# Altium PCB DC-DC_15V_24V.PcbDoc
Units mm, origin at the board's own origin, x right, y up, seen from the top; angles counter-clockwise.
Board outline 210 x 80 mm, 2 copper layers (Top Layer, Bottom Layer), stack 2.071 mm thick; 176 components, 72 nets, 404 pads, 116 vias.
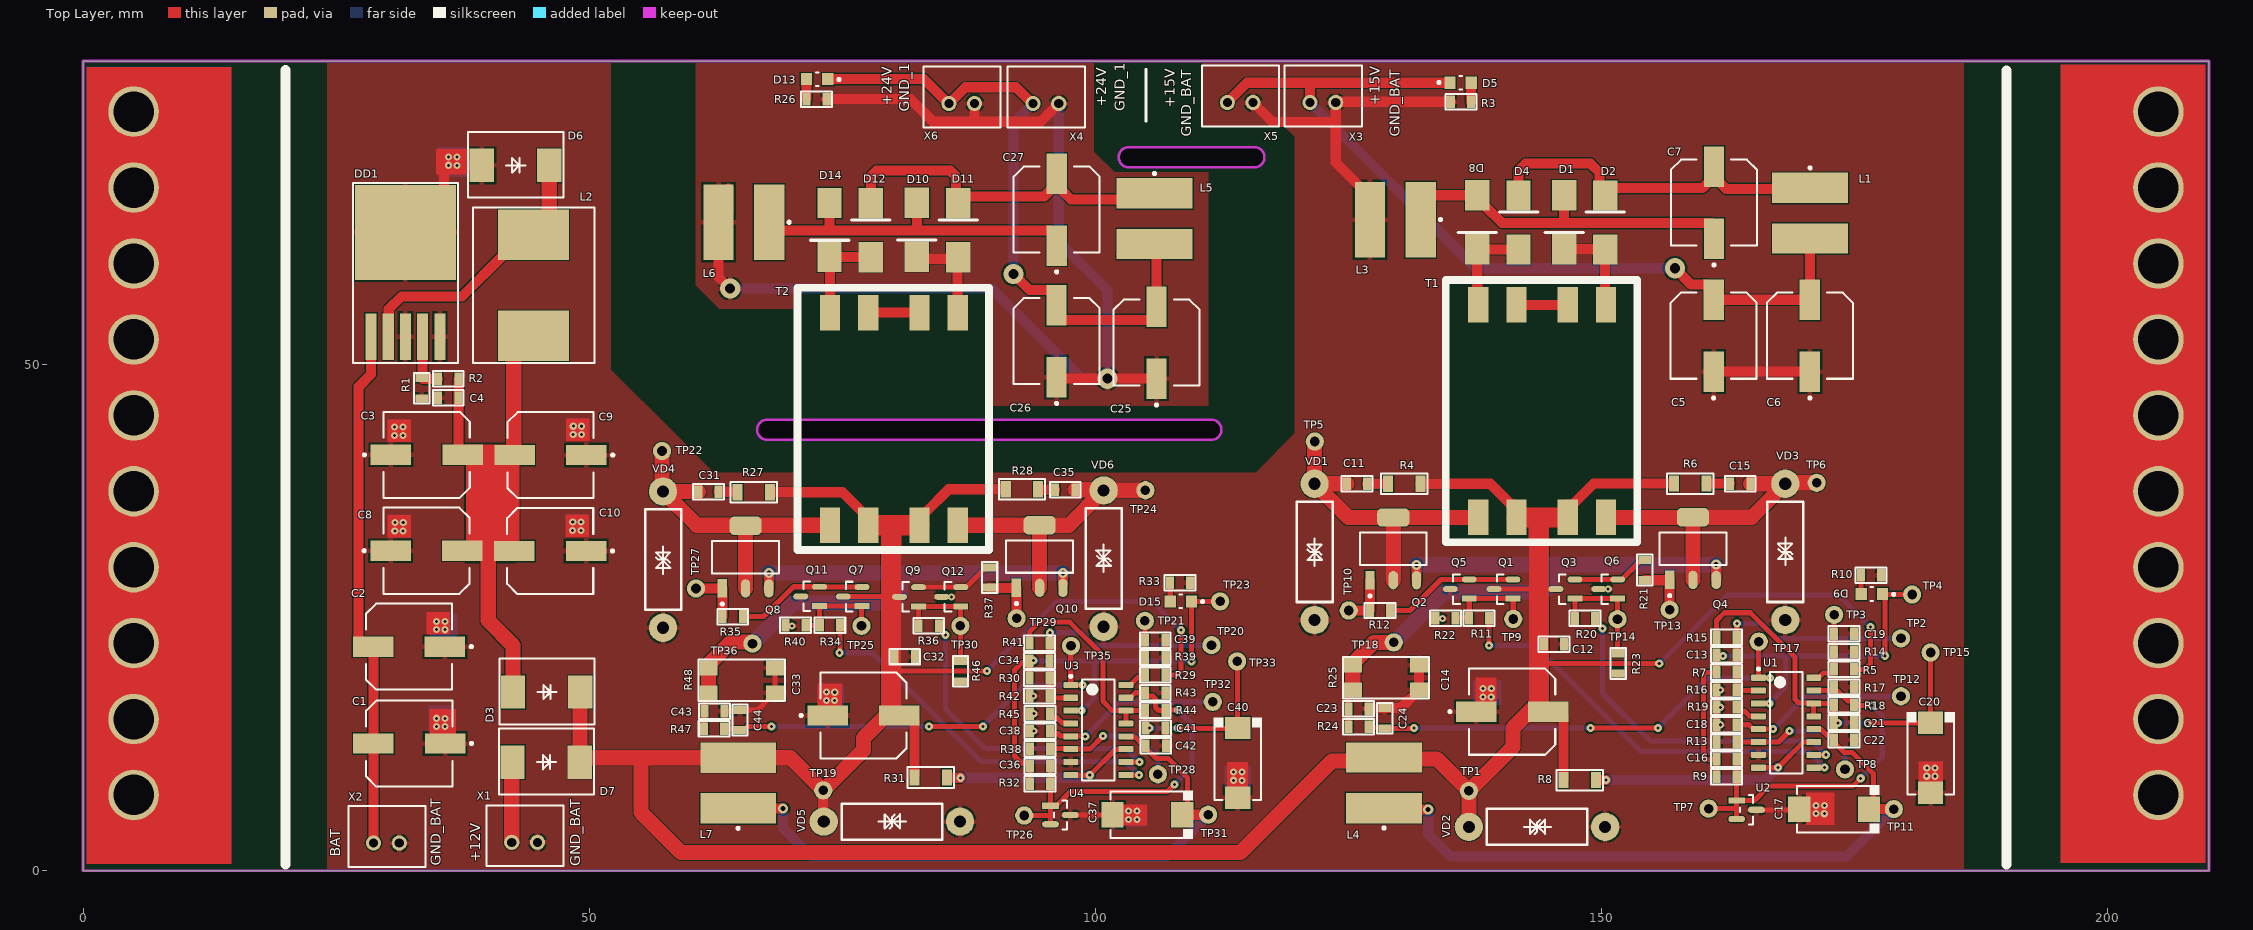
[diagram p0: Top Layer view]
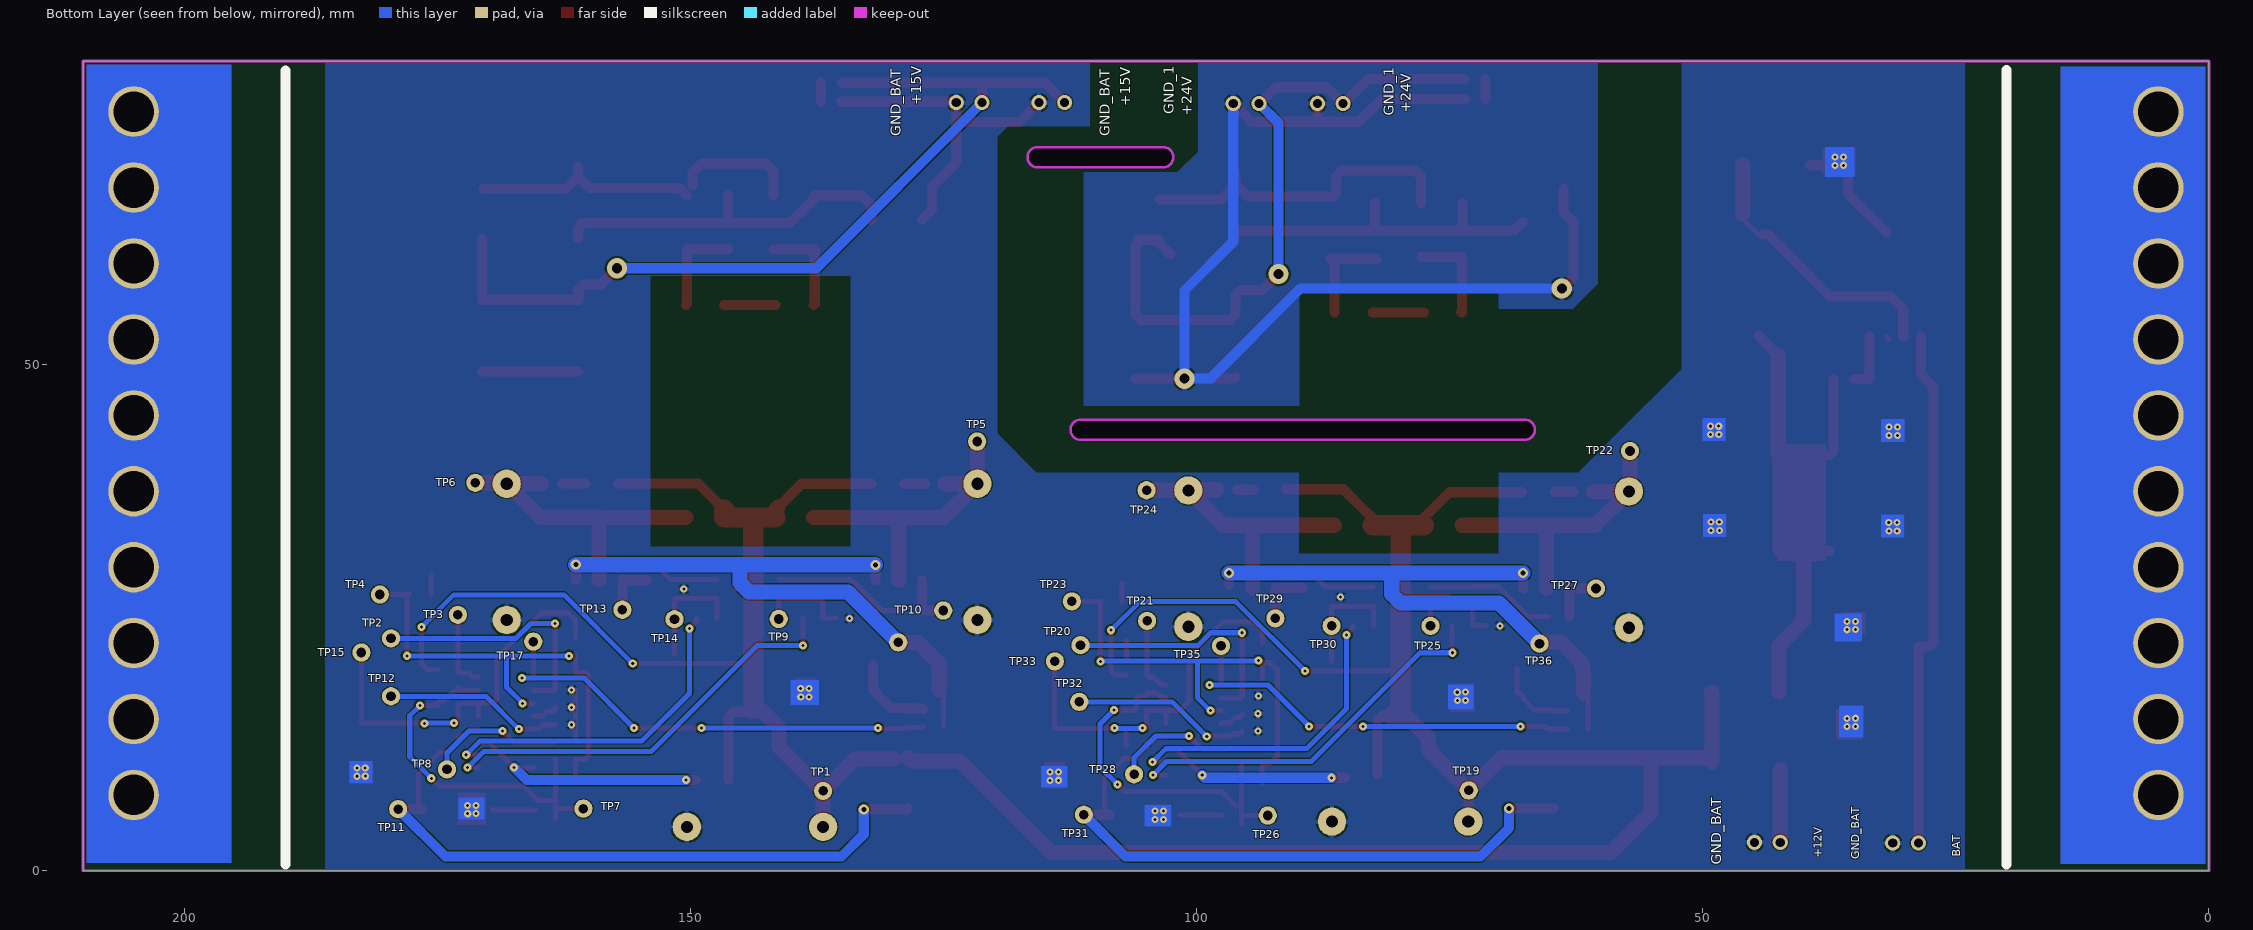
[diagram p1: Bottom Layer view, seen from below]
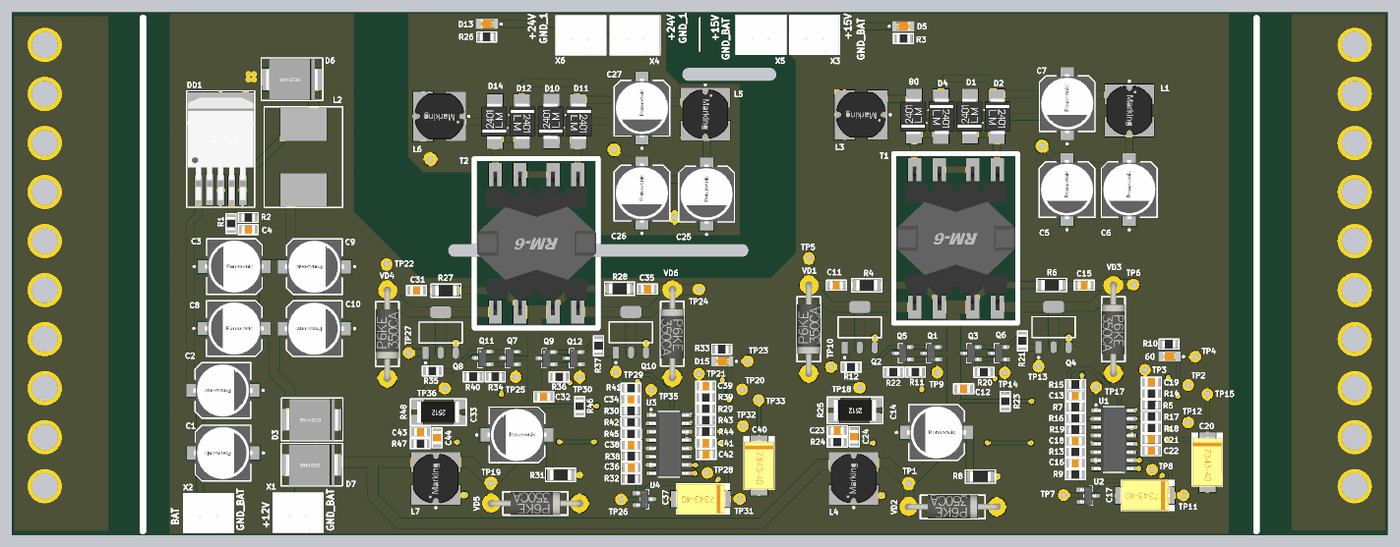
[diagram p2: 3D render of the assembled board from above, using the file's embedded part models]

## Layer stack, top to bottom
Top Solder: solder mask 0.0102, Solder Resist, Dk 3.5
Top Layer: signal copper 0.0356
Dielectric 1: dielectric 2, FR-4, Dk 4.8
Bottom Layer: signal copper 0.0356
Bottom Solder: solder mask 0.0102, Solder Resist, Dk 3.5

## Board outline
0,0 0,80 210,80 210,0
cut-out: 67.588,42.575 111.45,42.575 ccw(c111.45,43.575) 111.45,44.575 67.588,44.575 ccw(c67.588,43.575)
cut-out: 103.305,69.5 cw(c103.305,70.5) 103.305,71.5 115.7,71.5 cw(c115.7,70.5) 115.7,69.5

## Design rules (kind name [scope] priority, off if disabled: settings)
Clearance [All] p1: gap=0.2 ignorepadtopadclearanceinfootprint=TRUE except(0: Region-Hole Text-Hole; 0.1: Track-Track Track-SMDPad Track-THPad Track-Via Track-Fill Track-Poly Track-Region Track-Text Track-Hole SMDPad-SMDPad SMDPad-THPad SMDPad-Via SMDPad-Fill SMDPad-Poly SMDPad-Region SMDPad-Text SMDPad-Hole THPad-THPad THPad-Via THPad-Fill THPad-Poly THPad-Region THPad-Text THPad-Hole; 0.254: Region-Region Region-Text Text-Text)
ComponentClearance [All] p1: gap=-5 collisioncheckmode=3 verticalgap=0.254 showdistances=FALSE
DiffPairsRouting [All] p1: maxlimit=5 minlimit=0.254 mostfreqgap=0.254 toplayer_minwidth=0.381 toplayer_maxwidth=0.381 toplayer_prefwidth=0.381 bottomlayer_minwidth=0.381 bottomlayer_maxwidth=0.381 bottomlayer_prefwidth=0.381 maxuncoupledlength=12.7
Height [All] p1: minheight=0 maxheight=150 prefheight=50
HoleSize [All] p1: absolutevalues=TRUE maxlimit=10 minlimit=0.025 maxpercent=80.000 minpercent=20.000
HoleToHoleClearance [All] p1: gap=0 allowstackedmicrovias=TRUE
MinimumSolderMaskSliver [All] p1: minsoldermaskwidth=0
PlaneClearance [All] p1: clearance=0.7
PlaneConnect [All] p1: planeconnectstyle=Relief reliefexpansion=0.2 reliefentries=4 reliefconductorwidth=0.3 reliefairgap=0.1
PolygonConnect [All] p1: connectstyle=Relief reliefconductorwidth=0.5 reliefentries=4 polygonreliefangle="90 Angle" airgapwidth=0.2
RoutingVias [All] p1: holewidth=0.711 width=1.27 viastyle="Through Hole" minholewidth=0.3 minwidth=0.8 maxholewidth=10 maxwidth=10
SilkToSilkClearance [All] p1: silktosilkclearance=0
SilkToSolderMaskClearance [IsPad] p1: minsilkscreentomaskgap=0 clearancetoexposedcopper=TRUE
SolderMaskExpansion [All] p1: expansion=0.102 istentingtop=FALSE
Width [All] p1: maxlimit=7 minlimit=0.254 preferedwidth=2 minimp=50.000000 maximp=50.000000 favimp=50.000000
20 further rules are at their usual default settings.

## Components (designator, comment, footprint, x,y, rotation, side; value= is the part's Value field where it differs from the comment)
C1 "47uF 63V" CAP_SMD_Size_G 32.225,12.575 r180 top
C2 "47uF 63V" CAP_SMD_Size_G 32.2,22.15 r180 top
C3 "330uF 16V" CAP_SMD_Size_G 33.95,41.1 r0 top
C4 "100nF" CAP-0805 36.075,46.75 r180 top value=1u
C5 "CAP-POLAR" CAP_SMD_Size_G 161.077,52.865 r90 top
C6 "CAP-POLAR" CAP_SMD_Size_G 170.577,52.865 r90 top
C7 "CAP-POLAR" CAP_SMD_Size_G 161.102,66.013 r90 top
C8 "330uF 16V" CAP_SMD_Size_G 33.925,31.625 r0 top
C9 "330uF 16V" CAP_SMD_Size_G 46.175,41.075 r180 top
C10 "330uF 16V" CAP_SMD_Size_G 46.15,31.6 r180 top
C11 "CAP-V" CAP-0805 125.852,38.238 r180 top
C12 "0.01uF" CAP-0805 145.3,22.4 r180 top
C13 "100nF" CAP-0805 162.352,21.338 r180 top value="10,000 pF"
C14 "470uF_25V" CAP_SMD_Size_G 141.175,15.725 r0 top
C15 "CAP-V" CAP-0805 163.702,38.238 r180 top
C16 "100nF" CAP-0805 162.352,11.013 r0 top value="10,000 pF"
C17 "470uF_25V" CAP-TAN-D 172.977,6.088 r180 top
C18 "C0805C102K5RACTU" CAP-0805 162.352,14.438 r180 top value="1,000 pF"
C19 "100nF" CAP-0805 173.952,23.413 r0 top value="10,000 pF"
C20 "100uF" CAP-TAN-D 182.5,11.175 r270 top
C21 "0.1uF" CAP-0805 173.952,14.663 r180 top
C22 "0.01uF" CAP-0805 173.952,12.939 r180 top
C23 "0.47uF" CAP-0805 126,16 r180 top
C24 "470 pF" CAP-0805 128.6,15.075 r270 top
C25 "CAP-POLAR" CAP_SMD_Size_G 106.043,52.177 r90 top
C26 "CAP-POLAR" CAP_SMD_Size_G 96.168,52.327 r90 top
C27 "CAP-POLAR" CAP_SMD_Size_G 96.175,65.325 r90 top
C31 "CAP-V" CAP-0805 61.769,37.452 r180 top
C32 "0.01uF" CAP-0805 81.175,21.175 r180 top
C33 "470uF_25V" CAP_SMD_Size_G 77.094,15.352 r0 top
C34 "100nF" CAP-0805 94.469,20.777 r180 top value="10,000 pF"
C35 "CAP-V" CAP-0805 97.019,37.652 r180 top
C36 "100nF" CAP-0805 94.544,10.352 r0 top value="10,000 pF"
C37 "470uF_25V" CAP-TAN-D 105.144,5.552 r180 top
C38 "C0805C102K5RACTU" CAP-0805 94.519,13.802 r180 top value="1,000 pF"
C39 "100nF" CAP-0805 105.919,22.802 r0 top value="10,000 pF"
C40 "100uF" CAP-TAN-D 114.05,10.675 r270 top
C41 "0.1uF" CAP-0805 105.944,14.102 r180 top
C42 "0.01uF" CAP-0805 105.969,12.377 r180 top
C43 "0.47uF" CAP-0805 62.369,15.777 r180 top
C44 "470 pF" CAP-0805 64.894,14.902 r270 top
D1 "US1G" DO-214AA 146.302,61.79 r90 top
D2 "US1G" DO-214AA 150.352,66.34 r270 top
D3 "SS54" DO-214AB 45.825,17.675 r180 top
D4 "US1G" DO-214AA 141.802,66.34 r270 top
D5 "151031YS06000" LED_RED 136.075,77.85 r0 top
D6 "SS54" DO-214AB 42.75,69.7 r180 top
D7 "SS54" DO-214AB 45.775,10.75 r180 top
D8 "US1G" DO-214AA 137.727,61.79 r90 top
D9 "151031YS06000" LED_RED 176.7,27.35 r180 top
D10 "US1G" DO-214AA 82.369,61.049 r90 top
D11 "US1G" DO-214AA 86.444,65.577 r270 top
D12 "US1G" DO-214AA 77.819,65.577 r270 top
D13 "151031YS06000" LED_RED 72.515,78.209 r180 top
D14 "US1G" DO-214AA 73.744,61.027 r90 top
D15 "151031YS06000" LED_RED 108.444,26.627 r180 top
DD1 "LM2576HV" TO-263-5 31.85,56.275 r0 top
L1 "390µH, 0.38A" WE-PD2_7850 170.6,64.975 r270 top
L2 "100uH" CDRH127 44.5,57.85 r270 top
L3 "390µH, 0.38A" WE-PD2_7850 129.625,64.325 r180 top
L4 "390µH, 0.38A" WE-PD2_7850 128.5,8.7 r90 top
L5 "390µH, 0.38A" WE-PD2_7850 105.85,64.425 r270 top
L6 "390µH, 0.38A" WE-PD2_7850 65.275,64.075 r180 top
L7 "390µH, 0.38A" WE-PD2_7850 64.719,8.677 r90 top
Q1 "SS8050-G" FP-SOT-23-IPC_B 140.304,27.84 r180 top locked
Q2 "IRFL024NTRPBF" FP-PG-SOT223-3-IPC_B 129.427,31.813 r90 top
Q3 "SS8050-G" FP-SOT-23-IPC_B 146.428,27.84 r180 top locked
Q4 "IRFL024NTRPBF" FP-PG-SOT223-3-IPC_B 159.027,31.838 r90 top
Q5 "MMSS8550-H-TP" FP-SOT-23-IPC_B 135.993,27.84 r180 top locked
Q6 "MMSS8550-H-TP" FP-SOT-23-IPC_B 150.657,27.84 r180 top locked
Q7 "SS8050-G" FP-SOT-23-IPC_B 76.024,27.102 r180 top
Q8 "IRFL024NTRPBF" FP-PG-SOT223-3-IPC_B 65.444,31.002 r90 top
Q9 "SS8050-G" FP-SOT-23-IPC_B 81.592,27.077 r180 top
Q10 "IRFL024NTRPBF" FP-PG-SOT223-3-IPC_B 94.494,31.052 r90 top
Q11 "MMSS8550-H-TP" FP-SOT-23-IPC_B 71.823,27.12 r180 top
Q12 "MMSS8550-H-TP" FP-SOT-23-IPC_B 85.767,27.077 r180 top locked
R1 "1K" RES-0805 33.45,47.675 r90 top
R2 "9K1" RES-0805 36.075,48.6 r0 top
R3 "10K" RES-0805 136.1,75.975 r0 top
R4 "10 OMH" RES-1206 130.502,38.238 r180 top
R5 "10K" RES-0805 173.952,19.914 r180 top
R6 "10 OMH" RES-1206 158.752,38.263 r180 top
R7 "200K" RES-0805 162.352,19.613 r180 top
R8 "10 OMH" RES-1206 147.85,8.975 r180 top
R9 "200K" RES-0805 162.352,9.288 r0 top
R10 "220" RES-0805 176.625,29.225 r180 top
R11 "470" RES-0805 137.902,24.963 r0 top
R12 "10" RES-0805 128.125,25.725 r180 top
R13 "12K" RES-0805 162.352,12.739 r180 top
R14 "1.2K" RES-0805 173.952,21.663 r0 top
R15 "2K" RES-0805 162.352,23.063 r180 top
R16 "2K" RES-0805 162.352,17.888 r180 top
R17 "2K" RES-0805 173.952,18.163 r0 top
R18 "2K" RES-0805 173.952,16.413 r180 top
R19 "10K" RES-0805 162.352,16.163 r0 top
R20 "470" RES-0805 148.377,24.938 r0 top
R21 "10" RES-0805 154.277,29.713 r270 top
R22 "2K" RES-0805 134.577,24.963 r0 top
R23 "2K" RES-0805 151.628,20.5 r90 top
R24 "1K" RES-0805 126,14.25 r180 top
R25 "10 OMH" RES-2512 128.7,19.1 r180 top
R26 "10K" RES-0805 72.465,76.234 r180 top
R27 "10 OMH" RES-1206 66.244,37.402 r180 top
R28 "10 OMH" RES-1206 92.744,37.702 r180 top
R29 "10K" RES-0805 105.919,19.352 r180 top
R30 "200K" RES-0805 94.494,19.027 r180 top
R31 "10 OMH" RES-1206 83.75,9.225 r180 top
R32 "200K" RES-0805 94.544,8.627 r0 top
R33 "220" RES-0805 108.369,28.452 r180 top
R34 "470" RES-0805 73.769,24.252 r0 top
R35 "10" RES-0805 64.175,25.125 r180 top
R36 "470" RES-0805 83.544,24.227 r0 top
R37 "10" RES-0805 89.544,28.977 r270 top
R38 "12K" RES-0805 94.544,12.077 r180 top
R39 "1.2K" RES-0805 105.919,21.077 r0 top
R40 "2K" RES-0805 70.394,24.252 r0 top
R41 "2K" RES-0805 94.494,22.502 r180 top
R42 "2K" RES-0805 94.494,17.277 r180 top
R43 "2K" RES-0805 105.919,17.602 r0 top
R44 "2K" RES-0805 105.919,15.852 r180 top
R45 "10K" RES-0805 94.519,15.526 r0 top
R46 "2K" RES-0805 86.675,19.725 r90 top
R47 "1K" RES-0805 62.344,14.027 r180 top
R48 "10 OMH" RES-2512 65.069,18.827 r180 top
T1 "RM-6" TRANS_RM6 144.127,45.415 r90 top
T2 "RM-6" TRANS_RM6 80.094,44.652 r90 top
TP1 "" Test_Point 136.9,7.9 r0 top
TP2 "Test_Point_PCB" Test_Point 179.575,22.975 r0 top
TP3 "Test_Point_PCB" Test_Point 172.975,25.3 r0 top
TP4 "Test_Point_PCB" Test_Point 180.675,27.3 r0 top
TP5 "" Test_Point 121.677,42.413 r0 top
TP6 "" Test_Point 171.252,38.338 r0 top
TP7 "" Test_Point 160.575,6.15 r0 top
TP8 "" Test_Point 174.05,10.025 r0 top
TP9 "" Test_Point 141.277,24.888 r0 top
TP10 "" Test_Point 125.025,25.725 r0 top
TP11 "" Test_Point 178.875,6.1 r0 top
TP12 "Test_Point_PCB" Test_Point 179.575,17.25 r0 top
TP13 "" Test_Point 156.725,25.8 r0 top
TP14 "" Test_Point 151.577,24.863 r0 top
TP15 "Test_Point_PCB" Test_Point 182.5,21.575 r0 top
TP17 "" Test_Point 165.525,22.65 r0 top
TP18 "" Test_Point 129.475,22.575 r0 top
TP19 "" Test_Point 73.119,7.952 r0 top
TP20 "Test_Point_PCB" Test_Point 111.469,22.302 r0 top
TP21 "Test_Point_PCB" Test_Point 104.894,24.702 r0 top
TP22 "" Test_Point 57.194,41.477 r0 top
TP23 "Test_Point_PCB" Test_Point 112.325,26.625 r0 top
TP24 "" Test_Point 104.944,37.602 r0 top
TP25 "" Test_Point 76.894,24.202 r0 top
TP26 "" Test_Point 92.975,5.475 r0 top
TP27 "" Test_Point 60.55,27.9 r0 top
TP28 "" Test_Point 106.175,9.547 r0 top
TP29 "" Test_Point 92.219,24.952 r0 top
TP30 "" Test_Point 86.669,24.202 r0 top
TP31 "" Test_Point 111.144,5.552 r0 top
TP32 "Test_Point_PCB" Test_Point 111.594,16.702 r0 top
TP33 "Test_Point_PCB" Test_Point 114,20.7 r0 top
TP35 "" Test_Point 97.594,22.227 r0 top
TP36 "" Test_Point 66.125,22.45 r0 top
U1 "TL494CDR" D0016A_N 168.227,14.638 r0 top
U2 "TL431" TL431_SOT-23-3(A) 164.327,6.038 r0 top
U3 "TL494CDR" D0016A_N 100.294,13.927 r0 top
U4 "TL431" TL431_SOT-23-3(A) 96.544,5.527 r0 top
VD1 "Suppressor" P6KE350CA 121.652,31.515 r90 top
VD2 "Suppressor" P6KE350CA 143.625,4.35 r180 top
VD3 "Suppressor" P6KE350CA 168.152,31.515 r270 top
VD4 "Suppressor" P6KE350CA 57.294,30.752 r90 top
VD5 "Suppressor" P6KE350CA 79.9,4.875 r180 top
VD6 "Suppressor" P6KE350CA 100.819,30.852 r270 top
X1 "CONN-2-PIN" XH2- 42.35,2.825 r0 top
X2 "CONN-2-PIN" XH2- 28.7,2.75 r0 top
X3 "CONN-2-PIN" XH2- 121.2,75.9 r0 top
X4 "CONN-2-PIN" XH2- 93.84,75.8 r0 top
X5 "CONN-2-PIN" XH2- 113.035,75.9 r0 top
X6 "CONN-2-PIN" XH2- 85.525,75.8 r0 top

## Footprints (in the part's own frame and the unit in brackets; to place one, negate y for a bottom-side part, rotate by r counter-clockwise, add the part's x,y. Pads: shape width x height; smd on the part's side, far side on the other; paste and mask are expansions set on the pad)
CAP-0805 [mm]
  rect 0.8x1.25 smd mask+0.015: 1(-1,0) 2(1,0)
  silkscreen extent -1.52,-0.76 1.52,0.76, body extent -1,-0.62 1,0.63, height 0.8
CAP-TAN-D [mm]
  rect 2.2x2.5 smd: 1(-3.45,0) 2(3.45,0)
  silkscreen extent -4.5,-2.4 3.65,2.4, body extent -3.8,-2.3 3.8,2.3, height 4
CAP_SMD_Size_G [mm]
  rect 4x2 smd paste+0 mask+0: 1(3.55,0) 2(-3.55,0)
  silkscreen extent -6.28,-4.25 4.25,4.25, body extent -5.8,-4.5 5.8,4.5, height 0.25
CDRH127 [mm]
  rect 5x7 smd: 1(-5,0) 2(5,0)
  silkscreen extent -7.7,-6 7.7,6, body extent -6.17,-6 6.17,6, height 7
D0016A_N [mm] "SOIC, 16-Leads, Body 10x4mm, Pitch 1.27mm, IPC Medium Density"
  rrect17% 1.45x0.6 smd: 1(-2.725,4.445) 2(-2.725,3.175) 3(-2.725,1.905) 4(-2.725,0.635) 5(-2.725,-0.635) 6(-2.725,-1.905) 7(-2.725,-3.175) 8(-2.725,-4.445) 9(2.725,-4.445) 10(2.725,-3.175) 11(2.725,-1.905) 12(2.725,-0.635) 13(2.725,0.635) 14(2.725,1.905) 15(2.725,3.175) 16(2.725,4.445)
  silkscreen extent -2.85,-5 1.6,5.42, body extent -3,-4.95 3,4.95, height 1.59
DO-214AA [mm]
  rect 3x2.4 smd: 1(-0.381,0) 2(4.953,0)
  silkscreen extent 1.27,-1.91 1.27,1.91, body extent -0.53,-1.85 5.07,2.1, height 2.65
DO-214AB [mm]
  rect 2.4x3.3 smd: 1(-3.3,0) 2(3.35,0)
  silkscreen extent -4.7,-3.3 4.7,3.2, body extent -4.06,-3.15 4.06,3.15, height 2.67
FP-PG-SOT223-3-IPC_B [mm]
  rect 1.814x0.913 smd paste+0 mask+0: 1(-3.095,2.3)
  rrect100% 1.814x0.913 smd paste+0 mask+0: 2(-3.095,0) 3(-3.095,-2.3)
  rrect50% 1.814x3.172 smd paste+0 mask+0: 4(3.095,0)
  silkscreen extent -4.77,-3.3 1.6,3.3
FP-SOT-23-IPC_B [mm]
  rect 1.474x0.585 smd paste+0 mask+0: 1(-0.935,0.95)
  rrect100% 1.474x0.585 smd paste+0 mask+0: 2(-0.935,-0.95) 3(0.935,0)
  silkscreen extent 0,-1.46 0.65,1.46, body extent -1.2,-1.46 1.2,1.46, height 1.25
LED_RED [mm]
  rect 1.1x1.2 smd paste+0 mask+0: 1(-1.05,0) 2(1.05,0)
  silkscreen extent -2.27,-0.67 0.13,0.67, body extent -1.7,-0.77 1.7,0.77, height 0.25
P6KE350CA [mm]
  round 2.8 hole 1.2: 1(-6.731,0) 2(6.731,0)
  silkscreen extent -4.95,-1.78 4.95,1.78, body extent -7.26,-1.8 7.26,1.8, height 6.9
RES-0805 [mm]
  rect 0.8x1.25 smd mask+0.015: 1(-1,0) 2(1,0)
  silkscreen extent -1.52,-0.76 1.52,0.76, body extent -1,-0.62 1,0.63, height 0.6
RES-1206 [mm]
  rect 1x1.6 smd: 1(-1.6,0) 2(1.6,0)
  silkscreen extent -2.29,-1.02 2.29,1.02, body extent -1.6,-0.8 1.6,0.8, height 0.6
RES-2512 [mm]
  rect 1.8x1.45 smd: 1(-3.275,-1.225) 1(-3.275,1.225) 2(3.275,-1.225) 2(3.275,1.225)
  silkscreen extent -4.28,-2.05 4.25,2.05, body extent -3.2,-1.6 3.2,1.6, height 0.6
Test_Point [mm]
  round 1.8 hole 0.95: 1(0,0)
TL431_SOT-23-3(A) [mm]
  rect 1.659x0.627 smd paste+0 mask+0: 1(-0.977,0.915)
  rrect100% 1.659x0.627 smd paste+0 mask+0: 2(-0.977,-0.915) 3(0.977,0)
  silkscreen extent -0.65,-1.45 0.65,1.45, body extent -1.2,-1.45 1.2,1.45, height 1.1
TO-263-5 [mm]
  rect 1.1x4.6 smd: 1(-3.4,-3.5) 2(-1.7,-3.5) 3(0,-3.5) 4(1.7,-3.5) 5(3.4,-3.5)
  rect 10x9.4 smd: 3(0,6.8)
  silkscreen extent -5.2,-6.1 5.2,11.7, body extent -5,-4.99 5,10.68, height 4.88
TRANS_RM6 [mm]
  rect 3.5x2 smd: 1(-10.5,6.3) 2(-10.5,2.54) 3(-10.5,-2.54) 4(-10.5,-6.3) 5(10.5,-6.3) 6(10.5,-2.54) 7(10.5,2.54) 8(10.5,6.3)
  silkscreen extent -12.95,-9.4 12.95,9.53, body extent -11,-9.08 11,9.08, height 12.68
WE-PD2_7850 [mm] "SMD Power Inductor, 2-Leads, body 7.8x7mm"
  rect 3x7.5 smd: 1(-2.5,0) 2(2.5,0)
  silkscreen extent -4.59,-0.12 -4.34,0.13, body extent -3.81,-3.5 3.81,3.5, height 4.95
XH2- [mm]
  round 1.5 hole 0.9: 1(0,0) 2(2.54,0)
  silkscreen extent -2.5,-2.35 5.13,3.65, body extent -2.4,-2.25 5,3.55, height 7

## Part data
C1 C2 C3 C8 C9 C10: library part CAP_POL_SMD
C4: library part CC0805KKX5R9BB105, "1uF ±10% 50V X5R 0805 Multilayer Ceramic Capacitors MLCC - SMD/SMT RoHS", Manufacturer=Yageo, ComponentLink1Description="Database URL", ComponentLink1URL=http://el.udtech.dev/component/651/detail, ID=C-00125, In Stock=0, Part Number=CC0805KKX5R9BB105
C12 C21 C22 C23 C24 C32 C41 C42 C43 C44: library part CAP-NON-POLAR
C13 C16 C19 C34 C36 C39: library part CMP-2007-00254-2, "CAP CER 10000PF 50V X7R 0805", Capacitance="10,000 pF", Manufacturer=KEMET, Manufacturer Part Number=C0805C103J5RACTU, Package=C0805C-DN, Temperature="-55°C to +125°C", Temperature Characteristic=X7R, Temperature Coefficient=30ppm/°C, Temperature Range High=+125°C, Temperature Range Low=-55°C, Tolerance=0.05, Voltage Rating="50 V", Automotive=No, Category=Cap, ComponentLink2Description=Datasheet, ComponentLink2URL=https://content.kemet.com/datasheets/KEM_C1003_C0G_SMD.pdf, Device Class L1="Passive Components", Device Class L2=Capacitors, Device Class L3="Ceramic Capacitors", Digikey Description="CAP CER 10000PF 50V X7R 0805", Height=0.88mm, Ipc Land Pattern Name=CAPC200125X78, Lead Free=Yes, Material=Ceramic, Mouser Description="Capacitor; Ceramic; Cap 0.01uF; Tol 5%; Vol-Rtg 50 V; SMT; Case 0805; X7R; TR", Octopart=https://octopart.com/c0805c103j5ractu-kemet-133473, RoHS=TRUE
C14 C17 C20 C33 C37 C40: library part CAP-POLAR
C18 C38: library part CMP-2007-01097-2, "CAP CER 1000PF 50V X7R 0805", Capacitance="1,000 pF", Manufacturer=KEMET, Package=C0805C-DN, Temperature="-55°C to +125°C", Temperature Characteristic=X7R, Temperature Coefficient=30ppm/°C, Temperature Range High=+125°C, Temperature Range Low=-55°C, Tolerance=0.1, Voltage Rating="50 V", Automotive=No, Category=Cap, ComponentLink2Description=Datasheet, ComponentLink2URL=https://content.kemet.com/datasheets/KEM_C1003_C0G_SMD.pdf, Device Class L1="Passive Components", Device Class L2=Capacitors, Device Class L3="Ceramic Capacitors", Digikey Description="CAP CER 1000PF 50V X7R 0805", Height=0.88mm, Ipc Land Pattern Name=CAPC200125X78, Lead Free=Yes, Manufacturer Part Number=C0805C102K5RACTU, Material=Ceramic, Mouser Description="Cap Ceramic 0.001uF 50V X7R 10% SMD 0805 125C Plastic T/R", Octopart=https://octopart.com/c0805c102k5ractu-kemet-93010, RoHS=TRUE
D3 D6 D7: library part ES3D-DO214AB, "ES3D-DO214AB"
D5 D9 D13 D15: library part LED, "WURTH ELEKTRONIK - 151031YS06000 - LED, Yellow, Through Hole, T-1 (3mm), 30 mA, 2 V, 590 nm", Manufacturer_Name="Wurth Elektronik", Mouser Part Number=710-151031YS06000, Datasheet Link=https://katalog.we-online.de/led/datasheet/151031YS06000.pdf, Geometry.Height=5.5mm, Manufacturer_Part_Number=151031YS06000, Mouser Price/Stock=https://www.mouser.co.uk/ProductDetail/Wurth-Elektronik/151031YS06000?qs=LlUlMxKIyB3xSYYW%252BcuBiQ%3D%3D
L1 L3 L4 L5 L6 L7: library part 744775239, "WE-PD2 SMT Power Inductor, size 7850, 390µH, 0.38A, 1.77Ω", Case/Size Code=7850, DC Resistance=1.151Ω, DC Resistance Max=1.77Ω, Inductance=390µH, Manufacturer="Wurth Elektronik", Operating Temperature Max=125°C, Operating Temperature Min=-40°C, Rated Current=0.38A, Saturation Current=0.43A, Self Resonant Frequency=3.9MHz, Category="Unshielded Power Inductors", ComponentLink1Description="Website Link", ComponentLink1URL=https://www.we-online.com/redexpert/article/744775239?ad, ComponentLink2Description="Datasheet Link", ComponentLink2URL=https://www.we-online.com/redexpert/spec/744775239?ad, Height=4.95mm, Length=7.8mm, Manufacturer Part Number=744775239, Match Code=WE-PD2, Mount="Surface Mount", Packaging="Tape and Reel", Width=7mm
L2: library part IND-CONST
Q1 Q3 Q7 Q9: library part CMP-20235-000001-1, "NPN TRANSISTOR 1.5A 40V SOT-23 R", Case/Package=TO-236-3, Collector Emitter Breakdown Voltage=25V, Collector Emitter Voltage (VCEO)=400mV, Max Collector Current=1.5A, Max Power Dissipation=300mW, Transition Frequency=100MHz, Max Breakdown Voltage=25V, Mount="Surface Mount", Packaging="Tape and Reel", RoHS Compliant=Yes
Q2 Q4 Q8 Q10: library part CMP-32901-001217-1, "MOSFET N-CH 55V 2.8A SOT223", Case/Package=SOT-223, Continuous Drain Current (ID)=2.8A, Drain to Source Breakdown Voltage=55V, Drain to Source Resistance=75mR, Gate to Source Voltage (Vgs)=20V, Input Capacitance=400pF, Max Operating Temperature=150°C, Max Power Dissipation=1W, Min Operating Temperature=-55°C, Power Dissipation=2.1W, Threshold Voltage=4V, Drain to Source Voltage (Vdss)=55V, Halogen Free="Halogen Free", Height=0.057inch, Lead Free="Contains Lead", Length=0.263inch, Max Dual Supply Voltage=55V, Mount="Surface Mount", Number of Pins=3, Packaging="Cut Tape", Polarization=N, Rds On Max=75mR, Reach SVHC Compliant=Yes, RoHS Compliant=Yes, Series=HEXFET®, Turn-Off Delay Time=22.2ns, Turn-On Delay Time=8.1ns, Width=0.146inch
Q5 Q6 Q11 Q12: library part CMP-56214-000002-1, "TRANS PNP 25V 1.5A SOT23", Case/Package=SOT-23, Collector Base Voltage (VCBO)=40V, Collector Emitter Breakdown Voltage=25V, Collector Emitter Saturation Voltage=500mV, Emitter Base Voltage (VEBO)=1.6V, Max Collector Current=1.5A, Max Operating Temperature=150°C, Max Power Dissipation=625mW, Min Operating Temperature=-55°C, Package Quantity=1, Transition Frequency=100MHz, Collector Emitter Voltage (VCEO)=500mV, Element Configuration=Single, Gain Bandwidth Product=100MHz, hFE Min=40, Lead Free="Lead Free", Max Breakdown Voltage=25V, Mount="Surface Mount", Packaging="Tape and Reel", Polarity=PNP
R1 R2: library part RES-CONST, "10K"
R3 R4 R6 R8 R10 R11 R12 R19 R20 R21 R22 R23 R24 R25 R26 R27 R28 R31 R33 R34 R35 R36 R37 R40 R45 R46 R47 R48: library part RES-CONST